# KiCad board Decent400-internal.kicad_pcb
title: Decent400 keyboard; date: 2023-12-30; rev: 2i; company: Decent Consuting
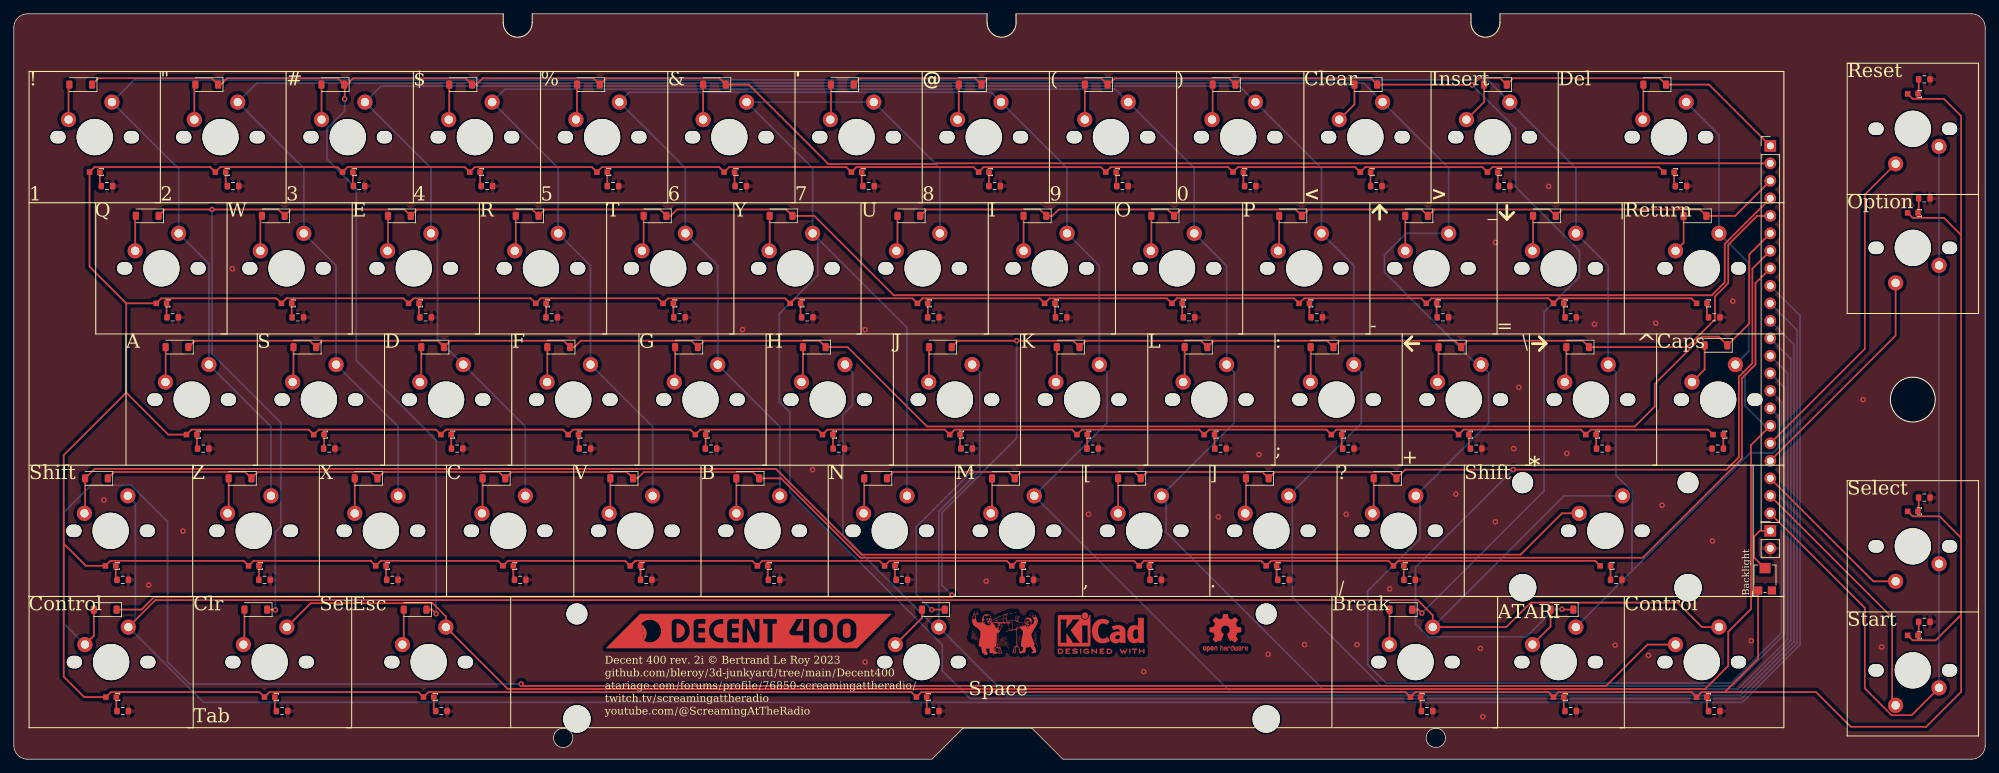
[diagram p0: board, top side]
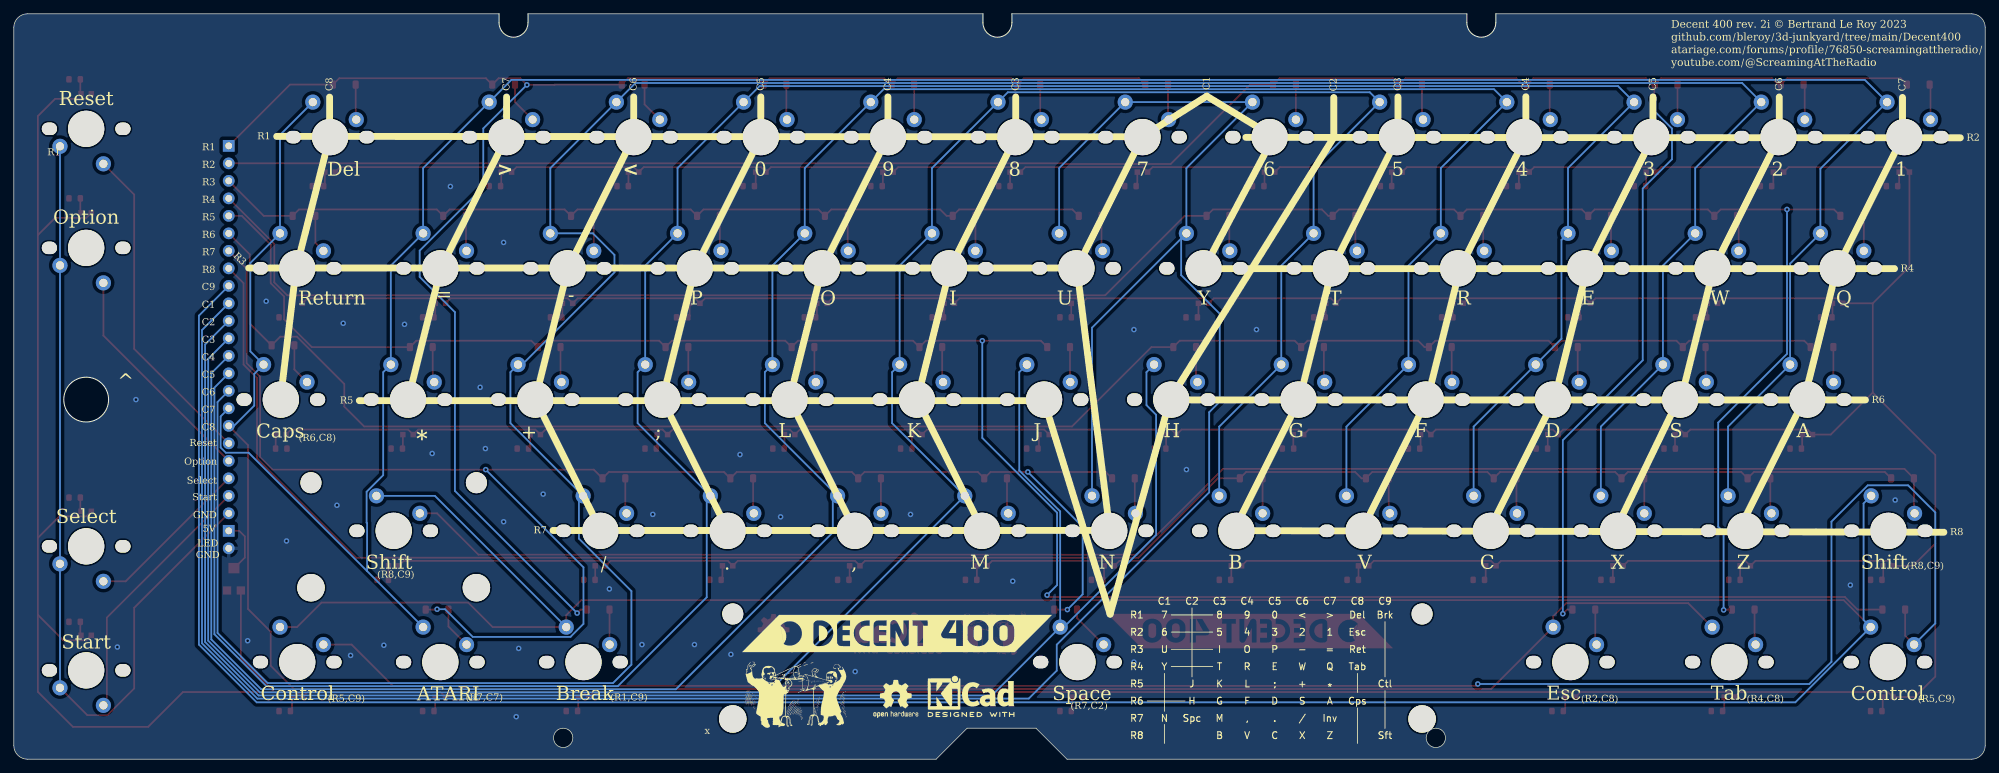
[diagram p1: board, bottom side, seen from below]

Outline 286 x 108.2 mm; copper layers: Top, Bottom. Coordinates in mm from the lower left corner of the outline.
Outline path: circle c79.7,3.1 r1.4 ; circle c206.3,3.1 r1.4 ; circle c275.5,52.2 r3.25 ; 0,106.2 arc(0.59,107.61) 2,108.2 71,108.2 71,106.9 arc(73.1,104.8) 75.2,106.9 75.2,108.2 141.2,108.2 141.2,106.9 arc(143.3,104.8) 145.4,106.9 145.4,108.2 211.4,108.2 211.4,106.9 arc(213.5,104.8) 215.6,106.9 215.6,108.2 284,108.2 arc(285.41,107.61) 286,106.2 286,2 arc(285.41,0.59) 284,0 152.2,0 147.7,4.5 137.7,4.5 133.2,0 2,0 arc(0.59,0.59) 0,2 0,106.2

## Placement (name value [footprint] x y rotation side)
D1  1N4148W  [D_SOD-123]  201.22 21.72 180 top
D2  1N4148W  [D_SOD-123]  13.26 21.72 180 top
D3  1N4148W  [D_SOD-123]  11.99 40.77 180 top
D4  1N4148W  [D_SOD-123]  120.2 97.92 180 top
D5  1N4148W  [D_SOD-123]  101.66 97.92 180 top
D6  1N4148W  [D_SOD-123]  129.85 78.87 180 top
D7  1N4148W  [D_SOD-123]  111.31 78.87 180 top
D8  1N4148W  [D_SOD-123]  125.02 40.77 180 top
D9  1N4148W  [D_SOD-123]  134.42 59.82 180 top
D10  1N4148W  [D_SOD-123]  116.13 59.82 180 top
D11  1N4148W  [D_SOD-123]  133.41 21.72 180 top
D12  1N4148W  [D_SOD-123]  138.74 97.92 180 top
D13  1N4148W  [D_SOD-123]  83.37 97.92 180 top
D14  1N4148W  [D_SOD-123]  148.14 78.87 180 top
D15  1N4148W  [D_SOD-123]  93.02 78.87 180 top
D16  1N4148W  [D_SOD-123]  152.96 59.82 180 top
D17  1N4148W  [D_SOD-123]  97.59 59.82 180 top
D18  1N4148W  [D_SOD-123]  143.57 40.77 180 top
D19  1N4148W  [D_SOD-123]  106.48 40.77 180 top
D20  1N4148W  [D_SOD-123]  157.03 97.92 180 top
D21  1N4148W  [D_SOD-123]  64.83 97.92 180 top
D22  1N4148W  [D_SOD-123]  166.68 78.87 180 top
D23  1N4148W  [D_SOD-123]  74.48 78.87 180 top
D24  1N4148W  [D_SOD-123]  171.51 59.82 180 top
D25  1N4148W  [D_SOD-123]  79.05 59.82 180 top
D26  1N4148W  [D_SOD-123]  161.85 40.77 180 top
D27  1N4148W  [D_SOD-123]  88.19 40.77 180 top
D28  1N4148W  [D_SOD-123]  175.57 97.92 180 top
D29  1N4148W  [D_SOD-123]  46.28 97.92 180 top
D30  1N4148W  [D_SOD-123]  185.22 78.87 180 top
D31  1N4148W  [D_SOD-123]  55.94 78.87 180 top
D32  1N4148W  [D_SOD-123]  189.79 59.82 180 top
D33  1N4148W  [D_SOD-123]  60.76 59.82 180 top
D34  1N4148W  [D_SOD-123]  180.4 40.77 180 top
D35  1N4148W  [D_SOD-123]  69.65 40.77 180 top
D36  1N4148W  [D_SOD-123]  196.14 97.92 180 top
D37  1N4148W  [D_SOD-123]  28 97.92 180 top
D38  1N4148W  [D_SOD-123]  203.51 78.87 180 top
D39  1N4148W  [D_SOD-123]  37.65 78.87 180 top
D40  1N4148W  [D_SOD-123]  208.34 59.82 180 top
D41  1N4148W  [D_SOD-123]  42.22 59.82 180 top
D42  1N4148W  [D_SOD-123]  198.94 40.77 180 top
D43  1N4148W  [D_SOD-123]  51.11 40.77 180 top
D44  1N4148W  [D_SOD-123]  214.94 97.92 180 top
D45  1N4148W  [D_SOD-123]  9.71 97.92 180 top
D46  1N4148W  [D_SOD-123]  222.05 78.87 180 top
D47  1N4148W  [D_SOD-123]  19.36 78.87 180 top
D48  1N4148W  [D_SOD-123]  226.88 59.82 180 top
D49  1N4148W  [D_SOD-123]  23.68 59.82 180 top
D50  1N4148W  [D_SOD-123]  224.59 21.72 180 top
D51  1N4148W  [D_SOD-123]  32.82 40.77 180 top
D52  1N4148W  [D_SOD-123]  238.05 97.92 180 top
D53  1N4148W  [D_SOD-123]  58.22 21.72 180 top
D54  1N4148W  [D_SOD-123]  243.9 78.87 180 top
D55  1N4148W  [D_SOD-123]  35.11 21.72 180 top
D56  1N4148W  [D_SOD-123]  246.94 60.07 180 top
G***  -  [LOGO]  106.63 18.62 0 top
G***#2  LOGOGO  [LOGO]  143.72 18.88 0 top
G***#3  -  [LOGO]  157.84 18.27 180 bottom
G***#4  -  [LOGO]  172.71 9.35 180 bottom
J1  Conn_01x22  [PinHeader_1x22_P2.54mm_Vertical]  254.82 89.03 0 top
J2  Conn_01x02_Pin  [PinHeader_1x02_P2.54mm_Vertical]  254.82 33.15 0 top
R1  100  [R_0603_1608Metric]  205.03 6.99 0 top
R2  100  [R_0603_1608Metric]  15.8 6.99 0 top
R3  100  [R_0603_1608Metric]  246.69 6.99 0 top
R4  100  [R_0603_1608Metric]  15.8 26.04 0 top
R5  100  [R_0603_1608Metric]  232.47 26.04 0 top
R6  100  [R_0603_1608Metric]  124.01 83.19 0 top
R7  100  [R_0603_1608Metric]  105.47 83.19 0 top
R8  100  [R_0603_1608Metric]  133.41 64.14 0 top
R9  100  [R_0603_1608Metric]  115.12 64.14 0 top
R10  100  [R_0603_1608Metric]  128.83 26.04 0 top
R11  100  [R_0603_1608Metric]  138.23 45.09 0 top
R12  100  [R_0603_1608Metric]  119.69 45.09 0 top
R13  100  [R_0603_1608Metric]  133.41 6.99 0 top
R14  100  [R_0603_1608Metric]  142.3 83.19 0 top
R15  100  [R_0603_1608Metric]  86.92 83.19 0 top
R16  100  [R_0603_1608Metric]  151.95 64.14 0 top
R17  100  [R_0603_1608Metric]  96.58 64.14 0 top
R18  100  [R_0603_1608Metric]  156.52 45.09 0 top
R19  100  [R_0603_1608Metric]  101.15 45.09 0 top
R20  100  [R_0603_1608Metric]  147.12 26.04 0 top
R21  100  [R_0603_1608Metric]  110.29 26.04 0 top
R22  100  [R_0603_1608Metric]  160.84 83.19 0 top
R23  100  [R_0603_1608Metric]  68.64 83.19 0 top
R24  100  [R_0603_1608Metric]  170.49 64.14 0 top
R25  100  [R_0603_1608Metric]  78.03 64.14 0 top
R26  100  [R_0603_1608Metric]  175.06 45.09 0 top
R27  100  [R_0603_1608Metric]  82.86 45.09 0 top
R28  100  [R_0603_1608Metric]  165.66 26.04 0 top
R29  100  [R_0603_1608Metric]  91.75 26.04 0 top
R30  100  [R_0603_1608Metric]  179.38 83.19 0 top
R31  100  [R_0603_1608Metric]  50.09 83.19 0 top
R32  100  [R_0603_1608Metric]  189.03 64.14 0 top
R33  100  [R_0603_1608Metric]  59.75 64.14 0 top
R34  100  [R_0603_1608Metric]  193.6 45.09 0 top
R35  100  [R_0603_1608Metric]  64.32 45.09 0 top
R36  100  [R_0603_1608Metric]  184.21 26.04 0 top
R37  100  [R_0603_1608Metric]  73.46 26.04 0 top
R38  100  [R_0603_1608Metric]  197.67 83.19 0 top
R39  100  [R_0603_1608Metric]  31.81 83.19 0 top
R40  100  [R_0603_1608Metric]  207.32 64.14 0 top
R41  100  [R_0603_1608Metric]  41.2 64.14 0 top
R42  100  [R_0603_1608Metric]  212.15 45.09 0 top
R43  100  [R_0603_1608Metric]  45.78 45.09 0 top
R44  100  [R_0603_1608Metric]  202.49 26.04 0 top
R45  100  [R_0603_1608Metric]  54.92 26.04 0 top
R46  100  [R_0603_1608Metric]  216.21 83.19 0 top
R47  100  [R_0603_1608Metric]  13.52 83.19 0 top
R48  100  [R_0603_1608Metric]  225.86 64.14 0 top
R49  100  [R_0603_1608Metric]  23.05 64.14 0 top
R50  100  [R_0603_1608Metric]  230.43 45.09 0 top
R51  100  [R_0603_1608Metric]  27.49 45.09 0 top
R52  100  [R_0603_1608Metric]  225.86 6.99 0 top
R53  100  [R_0603_1608Metric]  36.38 26.04 0 top
R54  100  [R_0603_1608Metric]  241.86 83.19 0 top
R55  100  [R_0603_1608Metric]  62.03 6.99 0 top
R56  100  [R_0603_1608Metric]  246.69 64.14 0 top
R57  100  [R_0603_1608Metric]  38.92 6.99 0 top
R58  100  [R_0603_1608Metric]  247.2 45.09 180 top
R61  100  [R_0603_1608Metric]  277.17 19.94 0 top
R62  100  [R_0603_1608Metric]  277.17 37.98 0 top
R63  100  [R_0603_1608Metric]  277.17 81.41 0 top
R64  100  [R_0603_1608Metric]  277.17 98.68 0 top
REF**  -  [Arrow]  202.84 60.33 180 top
REF**#2  -  [OSHW-Logo2_7.3x6mm_Copper]  175.77 18.32 0 top
REF**#3  -  [KiCad-Logo2_5mm_Copper]  157.74 18.32 0 top
REF**#4  -  [Arrow]  221.29 60.33 0 top
REF**#5  -  [Arrow]  216.6 79.38 270 top
REF**#6  -  [Arrow]  198.15 79.38 90 top
REF**#7  -  [OSHW-Logo2_7.3x6mm_SilkScreen]  158.04 8.75 180 bottom
REF**#8  -  [Atari400_Matrix]  104.86 12.45 180 bottom
REF**#9  -  [KiCad-Logo2_5mm_SilkScreen]  147.12 9.13 180 bottom
RV1  R_Potentiometer  [Potentiometer_Bourns_TC33X_Vertical]  254.06 26.29 90 top
SW0  0  [MX-1-00U-LED-UPSIDE-DOWN]  177.63 85.22 0 top
SW1  1  [MX-1-00U-LED-UPSIDE-DOWN]  11.74 85.22 0 top
SW2  2  [MX-1-00U-LED-UPSIDE-DOWN]  29.99 85.22 0 top
SW3  3  [MX-1-00U-LED-UPSIDE-DOWN]  48.44 85.22 0 top
SW4  4  [MX-1-00U-LED-UPSIDE-DOWN]  66.9 85.22 0 top
SW5  5  [MX-1-00U-LED-UPSIDE-DOWN]  85.35 85.22 0 top
SW6  6  [MX-1-00U-LED-UPSIDE-DOWN]  103.81 85.22 0 top
SW7  7  [MX-1-00U-LED-UPSIDE-DOWN]  122.26 85.22 0 top
SW8  8  [MX-1-00U-LED-UPSIDE-DOWN]  140.72 85.22 0 top
SW9  9  [MX-1-00U-LED-UPSIDE-DOWN]  159.17 85.22 0 top
SWA1  A  [MX-1-00U-LED-UPSIDE-DOWN]  25.8 47.12 0 top
SWB1  B  [MX-1-00U-LED-UPSIDE-DOWN]  108.63 28.07 0 top
SWBrk1  Break  [MX-1-25U-LED-REVERSED]  203.36 9.02 0 top
SWC1  C  [MX-1-00U-LED-UPSIDE-DOWN]  71.72 28.07 0 top
SWComma1  Comma  [MX-1-00U-LED-UPSIDE-DOWN]  163.99 28.07 0 top
SWCps1  Caps  [MX-1-00U-LED-UPSIDE-DOWN]  247.26 47.12 0 top
SWCtl1  Control  [MX-1-25U-LED-REVERSED]  14.12 9.02 0 top
SWCtl2  Control  [MX-1-25U-LED-REVERSED]  244.88 9.02 0 top
SWD1  D  [MX-1-00U-LED-UPSIDE-DOWN]  62.71 47.12 0 top
SWDash1  Dash  [MX-1-00U-LED-UPSIDE-DOWN]  205.66 66.17 0 top
SWDel1  Del  [MX-1-75U-LED-REVERSED]  240.12 85.22 0 top
SWE1  E  [MX-1-00U-LED-UPSIDE-DOWN]  58.03 66.17 0 top
SWEqual1  Equal  [MX-1-00U-LED-UPSIDE-DOWN]  224.12 66.17 0 top
SWEsc1  Esc  [MX-1-25U-LED-REVERSED]  60.18 9.02 0 top
SWF1  F  [MX-1-00U-LED-UPSIDE-DOWN]  81.17 47.12 0 top
SWG1  G  [MX-1-00U-LED-UPSIDE-DOWN]  99.62 47.12 0 top
SWGT1  GreaterThan  [MX-1-00U-LED-UPSIDE-DOWN]  214.54 85.22 0 top
SWH1  H  [MX-1-00U-LED-UPSIDE-DOWN]  118.08 47.12 0 top
SWI1  I  [MX-1-00U-LED-UPSIDE-DOWN]  150.3 66.17 0 top
SWInv1  Atari  [MX-1-00U-LED-UPSIDE-DOWN]  224.12 9.02 0 top
SWJ1  J  [MX-1-00U-LED-UPSIDE-DOWN]  136.53 47.12 0 top
SWK1  K  [MX-1-00U-LED-UPSIDE-DOWN]  154.99 47.12 0 top
SWL1  L  [MX-1-00U-LED-UPSIDE-DOWN]  173.44 47.12 0 top
SWLeftSft1  Shift  [MX-1-25U-LED-REVERSED]  14.05 28.07 0 top
SWLT1  LessThan  [MX-1-00U-LED-UPSIDE-DOWN]  196.08 85.22 0 top
SWM1  M  [MX-1-00U-LED-UPSIDE-DOWN]  145.54 28.07 0 top
SWN1  N  [MX-1-00U-LED-UPSIDE-DOWN]  127.08 28.07 0 top
SWO1  O  [MX-1-00U-LED-UPSIDE-DOWN]  168.75 66.17 0 top
SWOption1  Option  [MX-1-00U-LED]  275.5 79.3 0 top
SWP1  P  [MX-1-00U-LED-UPSIDE-DOWN]  187.21 66.17 0 top
SWPeriod1  Period  [MX-1-00U-LED-UPSIDE-DOWN]  182.45 28.07 0 top
SWPlus1  Plus  [MX-1-00U-LED-UPSIDE-DOWN]  210.35 47.12 0 top
SWQ1  Q  [MX-1-00U-LED-UPSIDE-DOWN]  21.41 66.17 0 top
SWR1  R  [MX-1-00U-LED-UPSIDE-DOWN]  76.48 66.17 0 top
SWReset1  Reset  [MX-1-00U-LED]  275.5 96.58 0 top
SWRet1  Return  [MX-1-25U-LED-REVERSED]  244.88 66.17 0 top
SWRightSft1  Shift  [MX-2-25U-LED-REVERSED]  230.89 28.07 0 top
SWS1  S  [MX-1-00U-LED-UPSIDE-DOWN]  44.26 47.12 0 top
SWSelect1  Select  [MX-1-00U-LED]  275.5 35.98 0 top
SWSemi1  Semicolon  [MX-1-00U-LED-UPSIDE-DOWN]  191.9 47.12 0 top
SWSlash1  Slash  [MX-1-00U-LED-UPSIDE-DOWN]  200.9 28.07 0 top
SWSpc1  Space  [MX-6-25U-LED-REVERSED]  131.7 9.02 0 top
SWStar1  Star  [MX-1-00U-LED-UPSIDE-DOWN]  228.81 47.12 0 top
SWStart1  Start  [MX-1-00U-LED]  275.5 17.98 0 top
SWT1  T  [MX-1-00U-LED-UPSIDE-DOWN]  94.93 66.17 0 top
SWTab1  Tab  [MX-1-25U-LED-REVERSED]  37.12 9.02 0 top
SWU1  U  [MX-1-00U-LED-UPSIDE-DOWN]  131.84 66.17 0 top
SWV1  V  [MX-1-00U-LED-UPSIDE-DOWN]  90.17 28.07 0 top
SWW1  W  [MX-1-00U-LED-UPSIDE-DOWN]  39.57 66.17 0 top
SWX1  X  [MX-1-00U-LED-UPSIDE-DOWN]  53.26 28.07 0 top
SWY1  Y  [MX-1-00U-LED-UPSIDE-DOWN]  113.39 66.17 0 top
SWZ1  Z  [MX-1-00U-LED-UPSIDE-DOWN]  34.81 28.07 0 top

## Library data of the parts
D1-D56 = -: Datasheet: https://www.vishay.com/docs/85748/1n4148w.pdf; JLCPCB Part #: C81598; ki_fp_filters: D*SOD?123*
J1 J2 = -: ki_fp_filters: Connector*:*_1x??_*
R1-R58 R61-R64 = -: JLCPCB Part #: C22775; ki_fp_filters: R_*
RV1 = -: JLCPCB Part #: C720647; JLCPCB Rotation Offset: 270; Field6: Wiper may be / anywhere within / circle shown; ki_fp_filters: Potentiometer*
SW0-SW9 SWA1 SWB1 SWBrk1 SWC1 SWComma1 SWCps1 SWCtl1 SWCtl2 SWD1 SWDash1 SWDel1 SWE1 SWEqual1 SWEsc1 SWF1 SWG1 SWGT1 SWH1 SWI1 SWInv1 SWJ1 SWK1 SWL1 SWLeftSft1 SWLT1 SWM1 SWN1 SWO1 SWOption1 SWP1 SWPeriod1 SWPlus1 SWQ1 SWR1 SWReset1 SWRightSft1 SWS1 SWSelect1 SWSemi1 SWSlash1 SWSpc1 SWStar1 SWStart1 SWT1 SWTab1 SWU1 SWV1 SWW1 SWX1 SWY1 SWZ1 = -: JLCPCB Part #: C193191; JLCPCB Rotation Offset: 180
SWRet1 = -: JLCPCB Part #: C193191; JLCPCB Rotation Offset: 90

## Footprints (pads in the part's own frame, mm; a bottom-side part is the same pattern mirrored in y, then rotated)
D_SOD-123
  rrect 0.9x1.2 smd: 1(-1.65,0) 2(1.65,0)
MX-1-00U-LED
  oval 2.2x1.8 hole 2.2x1.8 unplated: (-5.33,-5.08) (5.33,-5.08)
  round 5.25 hole 5.25 unplated: (0,-5.08)
  round 2.2 hole 1.2: 1(-2.5,-10.16) 2(3.8,-7.62)
  rect 0.8x0.8 smd: 3(0.75,0) 4(-0.75,0)
MX-1-00U-LED-UPSIDE-DOWN
  oval 2.2x1.8 hole 2.2x1.8 unplated: (-5.33,5.08) (5.33,5.08)
  round 5.25 hole 5.25 unplated: (0,5.08)
  round 2.2 hole 1.2: 1(2.5,10.16) 2(-3.8,7.62)
  rect 0.8x0.8 smd: 3(0.75,0) 4(-0.75,0)
MX-1-25U-LED-REVERSED
  oval 2.2x1.8 hole 2.2x1.8 unplated: (-5.33,5.08) (5.33,5.08)
  round 5.25 hole 5.25 unplated: (0,5.08)
  round 2.2 hole 1.2: 1(2.5,10.16) 2(-3.8,7.62)
  rect 0.8x0.8 smd: 3(0.75,0) 4(-0.75,0)
MX-1-75U-LED-REVERSED
  oval 2.2x1.8 hole 2.2x1.8 unplated: (-5.33,5.08) (5.33,5.08)
  round 5.25 hole 5.25 unplated: (0,5.08)
  round 2.2 hole 1.2: 1(2.5,10.16) 2(-3.8,7.62)
  rect 0.8x0.8 smd: 3(0.75,0) 4(-0.75,0)
MX-2-25U-LED-REVERSED
  round 3.048 hole 3.048 unplated: (-12,12.065) (12,12.065)
  round 3.988 hole 3.988 unplated: (-12,-3.175) (12,-3.175)
  oval 2.2x1.8 hole 2.2x1.8 unplated: (-5.33,5.08) (5.33,5.08)
  round 5.25 hole 5.25 unplated: (0,5.08)
  round 2.2 hole 1.2: 1(2.5,10.16) 2(-3.8,7.62)
  rect 0.8x0.8 smd: 3(0.75,0) 4(-0.75,0)
MX-6-25U-LED-REVERSED
  round 3.048 hole 3.048 unplated: (-50,12.065) (50,12.065)
  round 3.988 hole 3.988 unplated: (-50,-3.175) (50,-3.175)
  oval 2.2x1.8 hole 2.2x1.8 unplated: (-5.33,5.08) (5.33,5.08)
  round 5.25 hole 5.25 unplated: (0,5.08)
  round 2.2 hole 1.2: 1(2.5,10.16) 2(-3.8,7.62)
  rect 0.8x0.8 smd: 3(0.75,0) 4(-0.75,0)
PinHeader_1x02_P2.54mm_Vertical
  rect 1.7x1.7 hole 1: 1(0,0)
  oval 1.7x1.7 hole 1: 2(0,-2.54)
PinHeader_1x22_P2.54mm_Vertical
  rect 1.7x1.7 hole 1: 1(0,0)
  oval 1.7x1.7 hole 1: 2(0,-2.54) 3(0,-5.08) 4(0,-7.62) 5(0,-10.16) 6(0,-12.7) 7(0,-15.24) 8(0,-17.78) 9(0,-20.32) 10(0,-22.86) 11(0,-25.4) 12(0,-27.94) 13(0,-30.48) 14(0,-33.02) 15(0,-35.56) 16(0,-38.1) 17(0,-40.64) 18(0,-43.18) 19(0,-45.72) 20(0,-48.26) 21(0,-50.8) 22(0,-53.34)
Potentiometer_Bourns_TC33X_Vertical
  rect 1.2x1.2 smd: 1(-1.8,1) 3(-1.8,-1)
  rect 1.5x1.6 smd: 2(1.45,0)
R_0603_1608Metric
  rrect 0.8x0.95 smd: 1(-0.825,0) 2(0.825,0)

## Nets
5V: J2.1 RV1.2
GND: J1.22 SWOption1.2 SWReset1.2 SWSelect1.2 SWStart1.2
VCC_LED: RV1.1 SW0.4 SW1.4 SW2.4 SW3.4 SW4.4 SW5.4 SW6.4 SW7.4 SW8.4 SW9.4 SWA1.4 SWB1.4 SWBrk1.4 SWC1.4 SWComma1.4 SWCps1.4 SWCtl1.4 SWCtl2.4 SWD1.4 SWDash1.4 SWDel1.4 SWE1.4 SWEqual1.4 SWEsc1.4 SWF1.4 SWG1.4 SWGT1.4 SWH1.4 SWI1.4 SWInv1.4 SWJ1.4 SWK1.4 SWL1.4 SWLeftSft1.4 SWLT1.4 SWM1.4 SWN1.4 SWO1.4 SWOption1.4 SWP1.4 SWPeriod1.4 SWPlus1.4 SWQ1.4 SWR1.4 SWReset1.4 SWRet1.4 SWRightSft1.4 SWS1.4 SWSelect1.4 SWSemi1.4 SWSlash1.4 SWSpc1.4 SWStar1.4 SWStart1.4 SWT1.4 SWTab1.4 SWU1.4 SWV1.4 SWW1.4 SWX1.4 SWY1.4 SWZ1.4
COL_1: J1.10 SW6.1 SW7.1 SWN1.1 SWU1.1 SWY1.1
COL_2: J1.11 SWH1.1 SWJ1.1 SWSpc1.1
COL_3: J1.12 SW5.1 SW8.1 SWB1.1 SWG1.1 SWI1.1 SWK1.1 SWM1.1 SWT1.1
COL_4: J1.13 SW4.1 SW9.1 SWComma1.1 SWF1.1 SWL1.1 SWO1.1 SWR1.1 SWV1.1
COL_5: J1.14 SW0.1 SW3.1 SWC1.1 SWD1.1 SWE1.1 SWP1.1 SWPeriod1.1 SWSemi1.1
COL_6: J1.15 SW2.1 SWDash1.1 SWLT1.1 SWPlus1.1 SWS1.1 SWSlash1.1 SWW1.1 SWX1.1
COL_7: J1.16 SW1.1 SWA1.1 SWEqual1.1 SWGT1.1 SWInv1.1 SWQ1.1 SWStar1.1 SWZ1.1
COL_8: J1.17 SWCps1.1 SWDel1.1 SWEsc1.1 SWRet1.1 SWTab1.1
COL_9: J1.9 SWBrk1.1 SWCtl1.1 SWCtl2.1 SWLeftSft1.1 SWRightSft1.1
LED_GND: J2.2 R1.2 R2.2 R3.2 R4.2 R5.2 R6.2 R7.2 R8.2 R9.2 R10.2 R11.2 R12.2 R13.2 R14.2 R15.2 R16.2 R17.2 R18.2 R19.2 R20.2 R21.2 R22.2 R23.2 R24.2 R25.2 R26.2 R27.2 R28.2 R29.2 R30.2 R31.2 R32.2 R33.2 R34.2 R35.2 R36.2 R37.2 R38.2 R39.2 R40.2 R41.2 R42.2 R43.2 R44.2 R45.2 R46.2 R47.2 R48.2 R49.2 R50.2 R51.2 R52.2 R53.2 R54.2 R55.2 R56.2 R57.2 R58.2 R61.2 R62.2 R63.2 R64.2
OPTION: J1.19 SWOption1.1
RESET: J1.18 SWReset1.1
ROW_1: D1.1 D4.1 D12.1 D20.1 D28.1 D36.1 D44.1 D52.1 J1.1
ROW_2: D5.1 D13.1 D21.1 D29.1 D37.1 D45.1 D53.1 J1.2
ROW_3: D6.1 D14.1 D22.1 D30.1 D38.1 D46.1 D54.1 J1.3
ROW_4: D7.1 D15.1 D23.1 D31.1 D39.1 D47.1 D55.1 J1.4
ROW_5: D2.1 D9.1 D16.1 D24.1 D32.1 D40.1 D48.1 J1.5
ROW_6: D10.1 D17.1 D25.1 D33.1 D41.1 D49.1 D56.1 J1.6
ROW_7: D8.1 D11.1 D18.1 D26.1 D34.1 D42.1 D50.1 J1.7
ROW_8: D3.1 D19.1 D27.1 D35.1 D43.1 D51.1 J1.8
SELECT: J1.20 SWSelect1.1
START: J1.21 SWStart1.1
Net-(D1-A): D1.2 SWBrk1.2
Net-(D2-A): D2.2 SWCtl1.2 SWCtl2.2
Net-(D3-A): D3.2 SWLeftSft1.2 SWRightSft1.2
Net-(D4-A): D4.2 SW7.2
Net-(D5-A): D5.2 SW6.2
Net-(D6-A): D6.2 SWU1.2
Net-(D7-A): D7.2 SWY1.2
Net-(D8-A): D8.2 SWN1.2
Net-(D9-A): D9.2 SWJ1.2
Net-(D10-A): D10.2 SWH1.2
Net-(D11-A): D11.2 SWSpc1.2
Net-(D12-A): D12.2 SW8.2
Net-(D13-A): D13.2 SW5.2
Net-(D14-A): D14.2 SWI1.2
Net-(D15-A): D15.2 SWT1.2
Net-(D16-A): D16.2 SWK1.2
Net-(D17-A): D17.2 SWG1.2
Net-(D18-A): D18.2 SWM1.2
Net-(D19-A): D19.2 SWB1.2
Net-(D20-A): D20.2 SW9.2
Net-(D21-A): D21.2 SW4.2
Net-(D22-A): D22.2 SWO1.2
Net-(D23-A): D23.2 SWR1.2
Net-(D24-A): D24.2 SWL1.2
Net-(D25-A): D25.2 SWF1.2
Net-(D26-A): D26.2 SWComma1.2
Net-(D27-A): D27.2 SWV1.2
Net-(D28-A): D28.2 SW0.2
Net-(D29-A): D29.2 SW3.2
Net-(D30-A): D30.2 SWP1.2
Net-(D31-A): D31.2 SWE1.2
Net-(D32-A): D32.2 SWSemi1.2
Net-(D33-A): D33.2 SWD1.2
Net-(D34-A): D34.2 SWPeriod1.2
Net-(D35-A): D35.2 SWC1.2
Net-(D36-A): D36.2 SWLT1.2
Net-(D37-A): D37.2 SW2.2
Net-(D38-A): D38.2 SWDash1.2
Net-(D39-A): D39.2 SWW1.2
Net-(D40-A): D40.2 SWPlus1.2
Net-(D41-A): D41.2 SWS1.2
Net-(D42-A): D42.2 SWSlash1.2
Net-(D43-A): D43.2 SWX1.2
Net-(D44-A): D44.2 SWGT1.2
Net-(D45-A): D45.2 SW1.2
Net-(D46-A): D46.2 SWEqual1.2
Net-(D47-A): D47.2 SWQ1.2
Net-(D48-A): D48.2 SWStar1.2
Net-(D49-A): D49.2 SWA1.2
Net-(D50-A): D50.2 SWInv1.2
Net-(D51-A): D51.2 SWZ1.2
Net-(D52-A): D52.2 SWDel1.2
Net-(D53-A): D53.2 SWEsc1.2
Net-(D54-A): D54.2 SWRet1.2
Net-(D55-A): D55.2 SWTab1.2
Net-(D56-A): D56.2 SWCps1.2
Net-(R1-Pad1): R1.1 SWBrk1.3
Net-(R2-Pad1): R2.1 SWCtl1.3
Net-(R3-Pad1): R3.1 SWCtl2.3
Net-(R4-Pad1): R4.1 SWLeftSft1.3
Net-(R5-Pad1): R5.1 SWRightSft1.3
Net-(R6-Pad1): R6.1 SW7.3
Net-(R7-Pad1): R7.1 SW6.3
Net-(R8-Pad1): R8.1 SWU1.3
Net-(R9-Pad1): R9.1 SWY1.3
Net-(R10-Pad1): R10.1 SWN1.3
Net-(R11-Pad1): R11.1 SWJ1.3
Net-(R12-Pad1): R12.1 SWH1.3
Net-(R13-Pad1): R13.1 SWSpc1.3
Net-(R14-Pad1): R14.1 SW8.3
Net-(R15-Pad1): R15.1 SW5.3
Net-(R16-Pad1): R16.1 SWI1.3
Net-(R17-Pad1): R17.1 SWT1.3
Net-(R18-Pad1): R18.1 SWK1.3
Net-(R19-Pad1): R19.1 SWG1.3
Net-(R20-Pad1): R20.1 SWM1.3
Net-(R21-Pad1): R21.1 SWB1.3
Net-(R22-Pad1): R22.1 SW9.3
Net-(R23-Pad1): R23.1 SW4.3
Net-(R24-Pad1): R24.1 SWO1.3
Net-(R25-Pad1): R25.1 SWR1.3
Net-(R26-Pad1): R26.1 SWL1.3
Net-(R27-Pad1): R27.1 SWF1.3
Net-(R28-Pad1): R28.1 SWComma1.3
Net-(R29-Pad1): R29.1 SWV1.3
Net-(R30-Pad1): R30.1 SW0.3
Net-(R31-Pad1): R31.1 SW3.3
Net-(R32-Pad1): R32.1 SWP1.3
Net-(R33-Pad1): R33.1 SWE1.3
Net-(R34-Pad1): R34.1 SWSemi1.3
Net-(R35-Pad1): R35.1 SWD1.3
Net-(R36-Pad1): R36.1 SWPeriod1.3
Net-(R37-Pad1): R37.1 SWC1.3
Net-(R38-Pad1): R38.1 SWLT1.3
Net-(R39-Pad1): R39.1 SW2.3
Net-(R40-Pad1): R40.1 SWDash1.3
Net-(R41-Pad1): R41.1 SWW1.3
Net-(R42-Pad1): R42.1 SWPlus1.3
Net-(R43-Pad1): R43.1 SWS1.3
Net-(R44-Pad1): R44.1 SWSlash1.3
Net-(R45-Pad1): R45.1 SWX1.3
Net-(R46-Pad1): R46.1 SWGT1.3
Net-(R47-Pad1): R47.1 SW1.3
Net-(R48-Pad1): R48.1 SWEqual1.3
Net-(R49-Pad1): R49.1 SWQ1.3
Net-(R50-Pad1): R50.1 SWStar1.3
Net-(R51-Pad1): R51.1 SWA1.3
Net-(R52-Pad1): R52.1 SWInv1.3
Net-(R53-Pad1): R53.1 SWZ1.3
Net-(R54-Pad1): R54.1 SWDel1.3
Net-(R55-Pad1): R55.1 SWEsc1.3
Net-(R56-Pad1): R56.1 SWRet1.3
Net-(R57-Pad1): R57.1 SWTab1.3
Net-(R58-Pad1): R58.1 SWCps1.3
Net-(R61-Pad1): R61.1 SWStart1.3
Net-(R62-Pad1): R62.1 SWSelect1.3
Net-(R63-Pad1): R63.1 SWOption1.3
Net-(R64-Pad1): R64.1 SWReset1.3

Pads without a net: RV1 3

## Via types
v1: diameter 0.8, hole 0.4, Top to Bottom, 50 vias

## Routing (per net, layer and track width the routed paths; a pad name or vN(x,y) marks a point on that pad's centre or on a via; arc(x,y) is an arc through that point)
5V: length 7.9
  Top w0.25: J2.1 253.29,33.15 252.47,32.33 252.47,29.27 254.01,27.74
GND: length 123.7
  Top w0.25: SWStart1.2 275.33,6.39 272.41,6.39 268.53,10.27 268.53,21.97 J1.22
  Bottom w0.25: SWStart1.2 SWSelect1.2 SWOption1.2 SWReset1.2
VCC_LED: length 1442.6
  Top w0.25: 248.21,9.74 261.46,9.74 266.5,4.7 277.42,4.7 282.5,9.78 282.5,20.96 ; 248.21,9.74 244.85,9.74 SWCtl2.4 243.4,9.74 224.09,9.74 SWInv1.4 222.64,9.74 203.33,9.74 SWBrk1.4 201.88,9.74 131.67,9.74 SWSpc1.4 130.22,9.74 60.16,9.74 SWEsc1.4 58.71,9.74 37.09,9.74 SWTab1.4 35.64,9.74 14.1,9.74 SWCtl1.4 10.22,9.02 7.24,11.99 7.24,31.3 ; 248.21,9.74 253.06,14.59 RV1.1 ; 16.31,66.17 16.31,53.22 ; 16.31,66.17 10.99,71.49 SW1.4 11.71,85.94 28.51,85.94 SW2.4 29.96,85.94 46.97,85.94 SW3.4 48.42,85.94 65.42,85.94 SW4.4 66.87,85.94 83.88,85.94 SW5.4 85.33,85.94 102.33,85.94 SW6.4 103.78,85.94 120.79,85.94 SW7.4 122.24,85.94 139.24,85.94 SW8.4 140.69,85.94 157.7,85.94 SW9.4 159.15,85.94 176.15,85.94 SW0.4 177.6,85.94 194.61,85.94 SWLT1.4 196.06,85.94 213.06,85.94 SWGT1.4 214.51,85.94 238.64,85.94 SWDel1.4 ; 16.31,66.17 SWQ1.4 21.39,66.89 38.1,66.89 SWW1.4 39.55,66.89 56.55,66.89 SWE1.4 58,66.89 75.01,66.89 SWR1.4 76.46,66.89 93.46,66.89 SWT1.4 94.91,66.89 111.91,66.89 SWY1.4 113.36,66.89 130.37,66.89 SWU1.4 131.82,66.89 148.82,66.89 SWI1.4 150.27,66.89 167.28,66.89 SWO1.4 168.73,66.89 185.73,66.89 SWP1.4 187.18,66.89 204.19,66.89 SWDash1.4 205.64,66.89 222.64,66.89 SWEqual1.4 224.09,66.89 243.4,66.89 SWRet1.4 ; 16.31,53.22 22.41,47.12 SWA1.4 25.78,47.84 42.78,47.84 SWS1.4 44.23,47.84 61.24,47.84 SWD1.4 62.69,47.84 79.69,47.84 SWF1.4 81.14,47.84 98.15,47.84 SWG1.4 99.6,47.84 116.6,47.84 SWH1.4 118.05,47.84 135.06,47.84 SWJ1.4 136.51,47.84 153.51,47.84 SWK1.4 154.96,47.84 171.97,47.84 SWL1.4 173.42,47.84 190.42,47.84 SWSemi1.4 191.87,47.84 208.88,47.84 SWPlus1.4 210.33,47.84 227.33,47.84 SWStar1.4 228.78,47.84 245.79,47.84 SWCps1.4 ; 16.31,53.22 7.24,44.15 7.24,31.3 ; 282.5,32.13 282.5,76.08 ; 282.5,32.13 279.38,35.25 275.48,35.25 SWSelect1.4 ; 282.5,32.13 282.5,20.96 ; 282.5,76.08 282.5,93.35 280,95.85 275.48,95.85 SWReset1.4 ; 282.5,76.08 280,78.57 275.48,78.57 SWOption1.4 ; 282.5,20.96 278.8,17.25 275.48,17.25 SWStart1.4 ; 7.24,31.3 10.47,28.07 SWLeftSft1.4 14.02,28.79 33.33,28.79 SWZ1.4 34.78,28.79 51.79,28.79 SWX1.4 53.24,28.79 70.24,28.79 SWC1.4 71.69,28.79 88.7,28.79 SWV1.4 90.15,28.79 107.15,28.79 SWB1.4 108.6,28.79 125.61,28.79 SWN1.4 127.06,28.79 144.06,28.79 SWM1.4 145.51,28.79 162.52,28.79 SWComma1.4 163.97,28.79 180.97,28.79 SWPeriod1.4 182.42,28.79 199.43,28.79 SWSlash1.4 200.88,28.79 229.41,28.79 SWRightSft1.4
COL_1: length 364.1
  Bottom w0.25: SWY1.1 116.64,75.58 116.64,70.26 111.05,64.67 111.05,51.89 112.58,50.37 112.58,38.74 134.7,16.62 134.7,12.86 138.75,8.8 250.67,8.8 258.69,16.83 258.69,62.29 J1.10 ; SWY1.1 115.89,85.8 SW6.1 SW7.1 134.34,85.8 SWU1.1 ; SWY1.1 129.58,62.64 SWN1.1
COL_2: length 265.1
  Bottom w0.25: SWJ1.1 140.13,56.18 140.13,41.91 134.2,35.97 SWSpc1.1 144.12,9.25 250.48,9.25 258.24,17.01 258.24,60.2 J1.11 ; SWH1.1 121.68,56.18 121.68,51.39 120.28,49.99 120.28,32.56 133.66,19.18
COL_3: length 361
  Bottom w0.25: J1.12 257.79,58.11 257.79,17.2 250.29,9.7 176.56,9.7 SWM1.1 158.59,48.78 158.59,56.18 SWK1.1 157.49,71.64 SWI1.1 152.8,85.8 SW8.1 141.79,96.8 89.28,96.8 SW5.1 97.43,85.8 SWT1.1 102.12,71.64 SWG1.1 111.13,48.28 SWB1.1
COL_4: length 378.9
  Bottom w0.25: J1.13 257.34,56.02 257.34,17.39 250.11,10.15 189.94,10.15 167.19,32.91 167.19,37.53 SWComma1.1 177.04,48.78 177.04,56.18 SWL1.1 175.94,71.64 SWO1.1 171.25,85.8 SW9.1 159.8,97.25 71.27,97.25 SW4.1 78.98,85.8 SWR1.1 83.67,71.64 SWF1.1 92.67,48.28 SWV1.1
COL_5: length 398.6
  Bottom w0.25: SWPeriod1.1 195.5,48.78 195.5,56.18 SWSemi1.1 194.4,71.64 SWP1.1 189.71,85.8 SW0.1 177.8,97.7 53.27,97.7 SW3.1 60.53,85.8 SWE1.1 61.47,75.38 61.47,61.02 SWD1.1 74.22,48.28 SWC1.1 ; J1.14 256.89,53.93 256.89,18.14 249.35,10.6 198.37,10.6 185.48,23.5 185.48,37.7
COL_6: length 441.8
  Bottom w0.25: SWX1.1 55.76,48.28 SWS1.1 46.76,71.64 SWW1.1 42.07,85.8 SW2.1 35.26,98.15 195.81,98.15 SWLT1.1 208.16,85.8 SWDash1.1 201.99,76.33 198.86,73.2 198.86,70.67 212.25,57.28 SWPlus1.1 213.95,56.18 213.95,48.78 SWSlash1.1 ; J1.15 256.44,51.84 256.44,18.33 249.16,11.05 199.07,11.05 196.4,13.73 196.4,24.4 204.02,32.02 204.02,37.61
COL_7: length 394
  Bottom w0.25: SWZ1.1 37.31,48.28 SWA1.1 28.3,71.94 SWQ1.1 23.91,85.71 SW1.1 17.46,98.6 213.81,98.6 SWGT1.1 226.62,85.8 SWEqual1.1 231.31,71.64 SWStar1.1 232.41,56.18 232.41,41.23 234.81,38.82 234.81,34.33 234.74,34.26 234.74,27.31 ; 234.74,27.31 SWInv1.1 ; 234.74,27.31 251.92,44.48 255.23,44.48 255.99,45.25 255.99,49.75 J1.16
COL_8: length 309.4
  Top w0.25: SWTab1.1 43.08,22.64 60.77,22.64 62.68,20.74 SWEsc1.1 71.67,10.19 245.36,10.19 248.72,13.56 248.72,18.51 252.02,21.81 252.02,45.6 J1.17
  Bottom w0.25: J1.17 254.06,48.39 251.12,51.33 251.12,55.92 SWCps1.1 251.68,59.2 251.68,72.02 SWRet1.1 247.38,90.62 SWDel1.1
COL_9: length 597.7
  Top w0.25: SWCtl1.1 20.54,23.09 203.66,23.09 205.86,20.9 SWBrk1.1 216.52,19.18 220.08,22.74 241.36,22.74 244.91,19.18 SWCtl2.1
  Bottom w0.25: SWLeftSft1.1 17.65,37.13 17.65,20.21 SWCtl1.1 27.54,8.26 250.76,8.26 259.14,16.64 259.14,64.38 J1.9 ; SWBrk1.1 224.91,38.23 SWRightSft1.1
LED_GND:
  vias: v1(13.06,37.62) v1(19.56,25.28) v1(24.54,33.1) v1(31.7,71.2) v1(105.72,62.36) v1(115.88,42.04) v1(123.5,62.36) v1(123.5,14.1) v1(141.08,25.83) v1(155.91,35.54) v1(163.94,12.73) v1(174.76,35.18) v1(180.65,44.22) v1(181.97,15.22) v1(187.25,16.64) v1(193.3,35.54) v1(194.87,16.64) v1(199.6,24.72) v1(209.2,38.48) v1(212.76,16.08) v1(213.11,6.18) v1(214.94,75.01) v1(214.94,34.47) v1(217.58,45.09) v1(218.34,53.98) v1(222.66,83.14) v1(225.3,44.38) v1(229.32,63.12) v1(232.31,16.54) v1(237.14,15.07) v1(238.21,63.27) v1(239.12,36.86) v1(246.44,31.68) v1(249.38,66.47) v1(252.07,17.2) v1(268.28,52.2) v1(270.97,16.28)
OPTION: length 33.4
  Top w0.25: J1.19 273,61.49 SWOption1.1
RESET: length 48.1
  Top w0.25: J1.18 268.53,59.57 268.53,81.95 SWReset1.1
ROW_1: length 235.3
  Top w0.25: D4.1 122.77,98.84 139.46,98.84 D12.1 141.31,98.84 157.75,98.84 D20.1 ; J1.1 245.93,97.92 D52.1 238.78,98.84 217.51,98.84 D44.1 215.66,98.84 212.53,98.84 v1(211.56,97.88) 207.57,97.88 207.53,97.92 197.79,97.92 ; v1(204.27,21.21) 203.76,21.72 D1.1 ; 158.81,97.92 159.73,98.84 176.29,98.84 D28.1 178.14,98.84 196.87,98.84 D36.1
  Bottom w0.25: v1(204.27,21.21) 222,38.94 222,64.89 227.12,70.01 227.12,73.81 217.89,83.05 217.89,91.56 v1(211.56,97.88)
ROW_2: length 338.2
  Top w0.25: D53.1 60.67,21.72 v1(61.28,21.12) ; v1(48.01,95.84) 48.01,97.84 D29.1 ; D45.1 12.28,98.84 28.72,98.84 D37.1 30.03,97.92 30.95,98.84 47.01,98.84 D29.1 ; J1.2 133.85,86.49 133.75,86.39 118.17,86.39 106.64,97.92 D5.1 102.38,98.84 85.94,98.84 D13.1 84.09,98.84 68.04,98.84 67.11,97.92 D21.1 65.55,98.84 49.24,98.84 48.32,97.92 D29.1
  Bottom w0.25: v1(61.28,21.12) 61.28,46.3 49.69,57.89 49.69,82.83 45.44,87.08 45.44,91.54 48.01,94.11 v1(48.01,95.84)
ROW_3: length 130
  Top w0.25: D6.1 132.42,79.79 148.86,79.79 D14.1 150.68,78.87 151.6,79.79 167.4,79.79 D22.1 169.25,79.79 185.95,79.79 D30.1 187.8,79.79 204.23,79.79 D38.1 206.08,79.79 222.78,79.79 D46.1 224.63,79.79 244.62,79.79 D54.1 249.74,78.87 J1.3
ROW_4: length 315.3
  Top w0.25: v1(37.95,21.67) 37.9,21.72 D55.1 ; J1.4 248.21,74.81 248.21,69.22 246.34,67.34 127.66,67.34 116.13,78.87 D7.1 112.03,79.79 96.23,79.79 95.31,78.87 D15.1 93.74,79.79 77.05,79.79 D23.1 75.2,79.79 58.51,79.79 D31.1 56.66,79.79 40.22,79.79 D39.1 38.37,79.79 v1(28.76,79.79) 21.93,79.79 D47.1
  Bottom w0.25: v1(37.95,21.67) 37.95,32.97 38.73,33.75 38.73,48.87 28.76,58.84 v1(28.76,79.79)
ROW_5: length 299.8
  Top w0.25: D9.1 137,60.74 v1(145.5,60.74) 153.69,60.74 D16.1 155.54,60.74 172.23,60.74 D24.1 174.08,60.74 190.52,60.74 D32.1 192.37,60.74 209.06,60.74 D40.1 210.91,60.74 227.6,60.74 D48.1 242.77,59.82 246.79,63.84 246.79,67.16 248.72,69.09 248.72,74.68 252.91,78.87 J1.5 ; D2.1 18.52,21.72 20.35,23.54 135.84,23.54 136.1,23.8 v1(136.1,23.82)
  Bottom w0.25: v1(145.5,60.74) 145.5,46.64 134.65,35.79 134.65,25.27 v1(136.1,23.82)
ROW_6: length 258.6
  Top w0.25: J1.6 251.77,73.28 251.77,63.25 D56.1 247.33,61.33 244.92,61.33 238.05,54.47 238.05,51.18 235.16,48.29 132.48,48.29 120.96,59.82 D10.1 116.86,60.74 100.17,60.74 D17.1 98.32,60.74 82.26,60.74 81.34,59.82 D25.1 79.77,60.74 63.34,60.74 D33.1 61.49,60.74 44.79,60.74 D41.1 42.94,60.74 26.25,60.74 D49.1
ROW_7: length 239.5
  Top w0.25: J1.7 252.22,71.19 252.22,57.48 250.26,55.52 250.26,43.83 248.46,42.03 v1(217.53,42.03) 201.85,42.03 D42.1 199.66,41.69 182.97,41.69 D34.1 181.12,41.69 164.43,41.69 D26.1 162.58,41.69 146.14,41.69 D18.1 144.29,41.69 v1(138.89,41.69) 127.6,41.69 D8.1 ; D50.1 224.64,21.72 v1(224.59,21.77) ; D11.1 v1(133.15,21.72)
  Bottom w0.25: v1(224.59,21.77) 223.43,21.77 219.42,17.75 205.24,17.75 203.36,19.64 203.36,27.86 v1(217.53,42.03) ; v1(138.89,41.69) 130.94,33.74 130.94,23.94 v1(133.15,21.72)
ROW_8: length 280.9
  Top w0.25: J1.8 252.67,69.1 252.67,57.29 250.71,55.33 250.71,43.65 236.31,29.24 122.83,29.24 111.31,40.77 D19.1 107.21,41.69 91.4,41.69 90.48,40.77 D27.1 88.92,41.69 72.23,41.69 D35.1 70.38,41.69 53.68,41.69 D43.1 51.83,41.69 35.4,41.69 D51.1 33.55,41.69 14.57,41.69 D3.1
SELECT: length 24.4
  Top w0.25: J1.20 269.77,25.82 SWSelect1.1
START: length 37.2
  Top w0.25: 272.5,8.32 272.5,20.55 J1.21
Net-(D1-A): length 5.1
  Top w0.25: D1.2 199.57,16.66
Net-(D2-A): length 288
  Top w0.25: D2.2 11.61,17.93 SWCtl1.2 ; SWCtl2.2 236.99,16.64 230.99,10.64 73.89,10.64 v1(73.61,10.92)
  Bottom w0.25: SWCtl1.2 7.24,19.72 7.24,35.81 11.18,39.75 17.04,39.75 22.31,34.49 22.31,14.13 25.52,10.92 v1(73.61,10.92)
Net-(D3-A): length 229.9
  Top w0.25: SWRightSft1.2 224.59,35.69 218.6,29.69 123.02,29.69 110.57,42.14 11.72,42.14 D3.2 10.34,35.79
Net-(D4-A): length 5
  Top w0.25: D4.2 118.55,92.93
Net-(D5-A): length 5.1
  Top w0.25: D5.2 100.01,92.84
Net-(D6-A): length 4.9
  Top w0.25: D6.2 128.2,73.95
Net-(D7-A): length 5
  Top w0.25: D7.2 109.66,73.86
Net-(D8-A): length 5
  Top w0.25: D8.2 123.37,35.78
Net-(D9-A): length 5
  Top w0.25: D9.2 132.77,54.78
Net-(D10-A): length 4.9
  Top w0.25: D10.2 114.48,54.95
Net-(D11-A): length 6.7
  Top w0.25: D11.2 131.76,20.5 SWSpc1.2
Net-(D12-A): length 4.9
  Top w0.25: D12.2 137.09,93.01
Net-(D13-A): length 4.9
  Top w0.25: D13.2 81.72,93.01
Net-(D14-A): length 5.1
  Top w0.25: D14.2 146.49,73.8
Net-(D15-A): length 4.8
  Top w0.25: D15.2 91.37,74.03
Net-(D16-A): length 5
  Top w0.25: D16.2 151.31,54.87
Net-(D17-A): length 5
  Top w0.25: D17.2 95.94,54.86
Net-(D18-A): length 4.9
  Top w0.25: D18.2 141.92,35.87
Net-(D19-A): length 5.1
  Top w0.25: D19.2 104.83,35.69
Net-(D20-A): length 5.1
  Top w0.25: D20.2 155.38,92.85
Net-(D21-A): length 5
  Top w0.25: D21.2 63.18,92.92
Net-(D22-A): length 5
  Top w0.25: D22.2 165.03,73.87
Net-(D23-A): length 4.9
  Top w0.25: D23.2 72.83,73.94
Net-(D24-A): length 4.9
  Top w0.25: D24.2 169.86,54.95
Net-(D25-A): length 5
  Top w0.25: D25.2 77.4,54.77
Net-(D26-A): length 5.1
  Top w0.25: D26.2 160.2,35.7
Net-(D27-A): length 4.9
  Top w0.25: D27.2 86.54,35.86
Net-(D28-A): length 5
  Top w0.25: D28.2 173.92,92.93
Net-(D29-A): length 5.1
  Top w0.25: SW3.2 44.64,97.91
Net-(D30-A): length 4.9
  Top w0.25: D30.2 183.57,73.95
Net-(D31-A): length 5
  Top w0.25: D31.2 54.29,73.85
Net-(D32-A): length 5
  Top w0.25: D32.2 188.14,54.79
Net-(D33-A): length 4.9
  Top w0.25: D33.2 59.11,54.94
Net-(D34-A): length 5
  Top w0.25: D34.2 178.75,35.79
Net-(D35-A): length 5
  Top w0.25: D35.2 68,35.77
Net-(D36-A): length 6
  Top w0.25: SWLT1.2 194.49,95.05 D36.2
Net-(D37-A): length 4.9
  Top w0.25: SW2.2 26.19,97.76
Net-(D38-A): length 5.1
  Top w0.25: D38.2 201.86,73.79
Net-(D39-A): length 4.9
  Top w0.25: SWW1.2 35.77,78.64
Net-(D40-A): length 4.9
  Top w0.25: D40.2 206.69,54.87
Net-(D41-A): length 5
  Top w0.25: D41.2 40.57,54.85
Net-(D42-A): length 4.9
  Top w0.25: D42.2 197.29,35.88
Net-(D43-A): length 5.1
  Top w0.25: D43.2 49.46,35.69
Net-(D44-A): length 6.1
  Top w0.25: SWGT1.2 213.29,95.39 D44.2
Net-(D45-A): length 5
  Top w0.25: SW1.2 7.94,97.8
Net-(D46-A): length 5
  Top w0.25: D46.2 220.4,73.87
Net-(D47-A): length 5
  Top w0.25: SWQ1.2 17.61,78.77
Net-(D48-A): length 4.9
  Top w0.25: D48.2 225.23,54.96
Net-(D49-A): length 5.1
  Top w0.25: D49.2 22.03,54.76
Net-(D50-A): length 6.2
  Top w0.25: D50.2 222.94,19.26 SWInv1.2
Net-(D51-A): length 4.9
  Top w0.25: D51.2 31.17,35.85
Net-(D52-A): length 5
  Top w0.25: D52.2 236.4,92.93
Net-(D53-A): length 4.9
  Top w0.25: D53.2 56.57,16.83
Net-(D54-A): length 5.6
  Top w0.25: D54.2 242.25,74.96 SWRet1.2
Net-(D55-A): length 4.9
  Top w0.25: D55.2 33.46,16.78
Net-(D56-A): length 6.1
  Top w0.25: D56.2 245.29,56.57 SWCps1.2
Net-(R1-Pad1): length 1.9
  Top w0.25: SWBrk1.3 204.11,7.09
Net-(R2-Pad1): length 1.9
  Top w0.25: SWCtl1.3 14.87,7.1
Net-(R3-Pad1): length 1.8
  Top w0.25: SWCtl2.3 245.63,7.22
Net-(R4-Pad1): length 1.8
  Top w0.25: SWLeftSft1.3 14.8,26.22
Net-(R5-Pad1): length 2
  Top w0.25: SWRightSft1.3 231.64,26.04
Net-(R6-Pad1): length 1.9
  Top w0.25: SW7.3 123.01,83.36
Net-(R7-Pad1): length 1.9
  Top w0.25: SW6.3 104.56,83.27
Net-(R8-Pad1): length 2
  Top w0.25: SWU1.3 132.59,64.15
Net-(R9-Pad1): length 1.9
  Top w0.25: SWY1.3 114.14,64.29
Net-(R10-Pad1): length 1.9
  Top w0.25: SWN1.3 127.83,26.22
Net-(R11-Pad1): length 1.9
  Top w0.25: SWJ1.3 137.28,45.21
Net-(R12-Pad1): length 2
  Top w0.25: SWH1.3 118.83,45.13
Net-(R13-Pad1): length 1.9
  Top w0.25: SWSpc1.3 132.45,7.12
Net-(R14-Pad1): length 2
  Top w0.25: SW8.3 141.47,83.19
Net-(R15-Pad1): length 2
  Top w0.25: SW5.3 86.1,83.19
Net-(R16-Pad1): length 2
  Top w0.25: SWI1.3 151.05,64.21
Net-(R17-Pad1): length 2
  Top w0.25: SWT1.3 95.68,64.2
Net-(R18-Pad1): length 2
  Top w0.25: SWK1.3 155.74,45.13
Net-(R19-Pad1): length 2
  Top w0.25: SWG1.3 100.37,45.14
Net-(R20-Pad1): length 2
  Top w0.25: SWM1.3 146.29,26.05
Net-(R21-Pad1): length 1.9
  Top w0.25: SWB1.3 109.38,26.13
Net-(R22-Pad1): length 1.9
  Top w0.25: SW9.3 159.92,83.28
Net-(R23-Pad1): length 1.9
  Top w0.25: SW4.3 67.65,83.35
Net-(R24-Pad1): length 1.9
  Top w0.25: SWO1.3 169.5,64.3
Net-(R25-Pad1): length 2
  Top w0.25: SWR1.3 77.23,64.16
Net-(R26-Pad1): length 2
  Top w0.25: SWL1.3 174.19,45.13
Net-(R27-Pad1): length 1.9
  Top w0.25: SWF1.3 81.92,45.2
Net-(R28-Pad1): length 1.9
  Top w0.25: SWComma1.3 164.74,26.14
Net-(R29-Pad1): length 2
  Top w0.25: SWV1.3 90.92,26.04
Net-(R30-Pad1): length 1.9
  Top w0.25: SW0.3 178.38,83.37
Net-(R31-Pad1): length 2
  Top w0.25: SW3.3 49.19,83.26
Net-(R32-Pad1): length 1.8
  Top w0.25: SWP1.3 187.96,64.39
Net-(R33-Pad1): length 1.9
  Top w0.25: SWE1.3 58.78,64.28
Net-(R34-Pad1): length 1.9
  Top w0.25: SWSemi1.3 192.65,45.22
Net-(R35-Pad1): length 2
  Top w0.25: SWD1.3 63.46,45.12
Net-(R36-Pad1): length 1.8
  Top w0.25: SWPeriod1.3 183.2,26.22
Net-(R37-Pad1): length 1.9
  Top w0.25: SWC1.3 72.47,26.21
Net-(R38-Pad1): length 2
  Top w0.25: SWLT1.3 196.83,83.2
Net-(R39-Pad1): length 1.8
  Top w0.25: SW2.3 30.74,83.43
Net-(R40-Pad1): length 2
  Top w0.25: SWDash1.3 206.41,64.22
Net-(R41-Pad1): length 2
  Top w0.25: SWW1.3 40.32,64.2
Net-(R42-Pad1): length 1.8
  Top w0.25: SWPlus1.3 211.1,45.31
Net-(R43-Pad1): length 2
  Top w0.25: SWS1.3 45.01,45.15
Net-(R44-Pad1): length 2
  Top w0.25: SWSlash1.3 201.65,26.06
Net-(R45-Pad1): length 2
  Top w0.25: SWX1.3 54.01,26.12
Net-(R46-Pad1): length 1.9
  Top w0.25: SWGT1.3 215.29,83.29
Net-(R47-Pad1): length 1.8
  Top w0.25: SW1.3 12.49,83.39
Net-(R48-Pad1): length 1.9
  Top w0.25: SWEqual1.3 224.87,64.31
Net-(R49-Pad1): length 2
  Top w0.25: SWQ1.3 22.16,64.2
Net-(R50-Pad1): length 2
  Top w0.25: SWStar1.3 229.56,45.14
Net-(R51-Pad1): length 1.9
  Top w0.25: SWA1.3 26.55,45.2
Net-(R52-Pad1): length 1.9
  Top w0.25: SWInv1.3 224.87,7.16
Net-(R53-Pad1): length 2
  Top w0.25: SWZ1.3 35.56,26.04
Net-(R54-Pad1): length 1.9
  Top w0.25: SWDel1.3 240.87,83.36
Net-(R55-Pad1): length 2.1
  Top w0.25: SWEsc1.3 60.93,7.26 R55.1
Net-(R56-Pad1): length 1.8
  Top w0.25: SWRet1.3 245.63,64.37
Net-(R57-Pad1): length 1.8
  Top w0.25: SWTab1.3 37.87,7.22
Net-(R58-Pad1): length 1.9
  Top w0.25: SWCps1.3 248.01,45.23
Net-(R61-Pad1): length 1.9
  Top w0.25: R61.1 276.34,18.07
Net-(R62-Pad1): length 1.9
  Top w0.25: R62.1 276.34,36.07
Net-(R63-Pad1): length 2
  Top w0.25: R63.1 276.34,79.39
Net-(R64-Pad1): length 2
  Top w0.25: R64.1 276.34,96.67

## Copper pours and planes (outline as drawn; the poured copper is in the pictures)
LED_GND on Top, Bottom: -1.41,111.01 287.72,111.01 287.12,-1.79 -1.84,-1.79

## Text on the board
B.Silkscreen: C7 | C8 | R2 | R8 | R4 | R6 | (R5,C9) | (R8,C9) | (R4,C8) | (R2,C8) | (R7,C2) | (R1,C9) | (R7,C7) | (R6,C8) | x | 5V | LED / GND | R7 | R5 | R1 | Option | Select | Start | Reset | GND | R3 | C9 | C1 | C2 | C3 | C4 | C5 | C6 | Decent 400 rev. 2i © Bertrand Le Roy 2023 / github.com/bleroy/3d-junkyard/tree/main/Decent400 / atariage.com/forums/profile/76850-screamingattheradio/ / youtube.com/@ScreamingAtTheRadio | Return | ^ | Space | Del | Caps | ATARI | Control | Break | Shift | Q | A | Z | W | S | X | E | Esc | D | C | R | F | V | T | G | B | Y | H | N | U | J | M | I | K | O | L | P | 1 | 2 | 3 | 4 | 5 | 6 | 7 | 8 | 9 | 0 | Tab | , | . | ; | / | - | + | = | < | > | *
F.Silkscreen: Backlight | Decent 400 rev. 2i © Bertrand Le Roy 2023 / github.com/bleroy/3d-junkyard/tree/main/Decent400 / atariage.com/forums/profile/76850-screamingattheradio/ / twitch.tv/screamingattheradio / youtube.com/@ScreamingAtTheRadio | Control | ! | Shift | Q | A | {dblquote} | Z | Clr | W | S | # | X | Esc | E | D | $ | C | R | F | % | V | T | G | & | B | Y | H | N | U | J | M | Space | I | K | ( | [ | O | L | ) | ] | P | : | Clear | Break | ? | Insert | ATARI | Del | Return | Caps | Reset | Option | Select | Start | 1 | 2 | Tab | 3 | 4 | 5 | 6 | 7 | 8 | 9 | , | 0 | . | ; | / | - | + | = | Set | _ | \ | | | ' | @ | < | > | * | ^
